# Altium PCB mantarray_beta2_sensor_arrayed.PcbDoc (part 8 of 14) (continued)
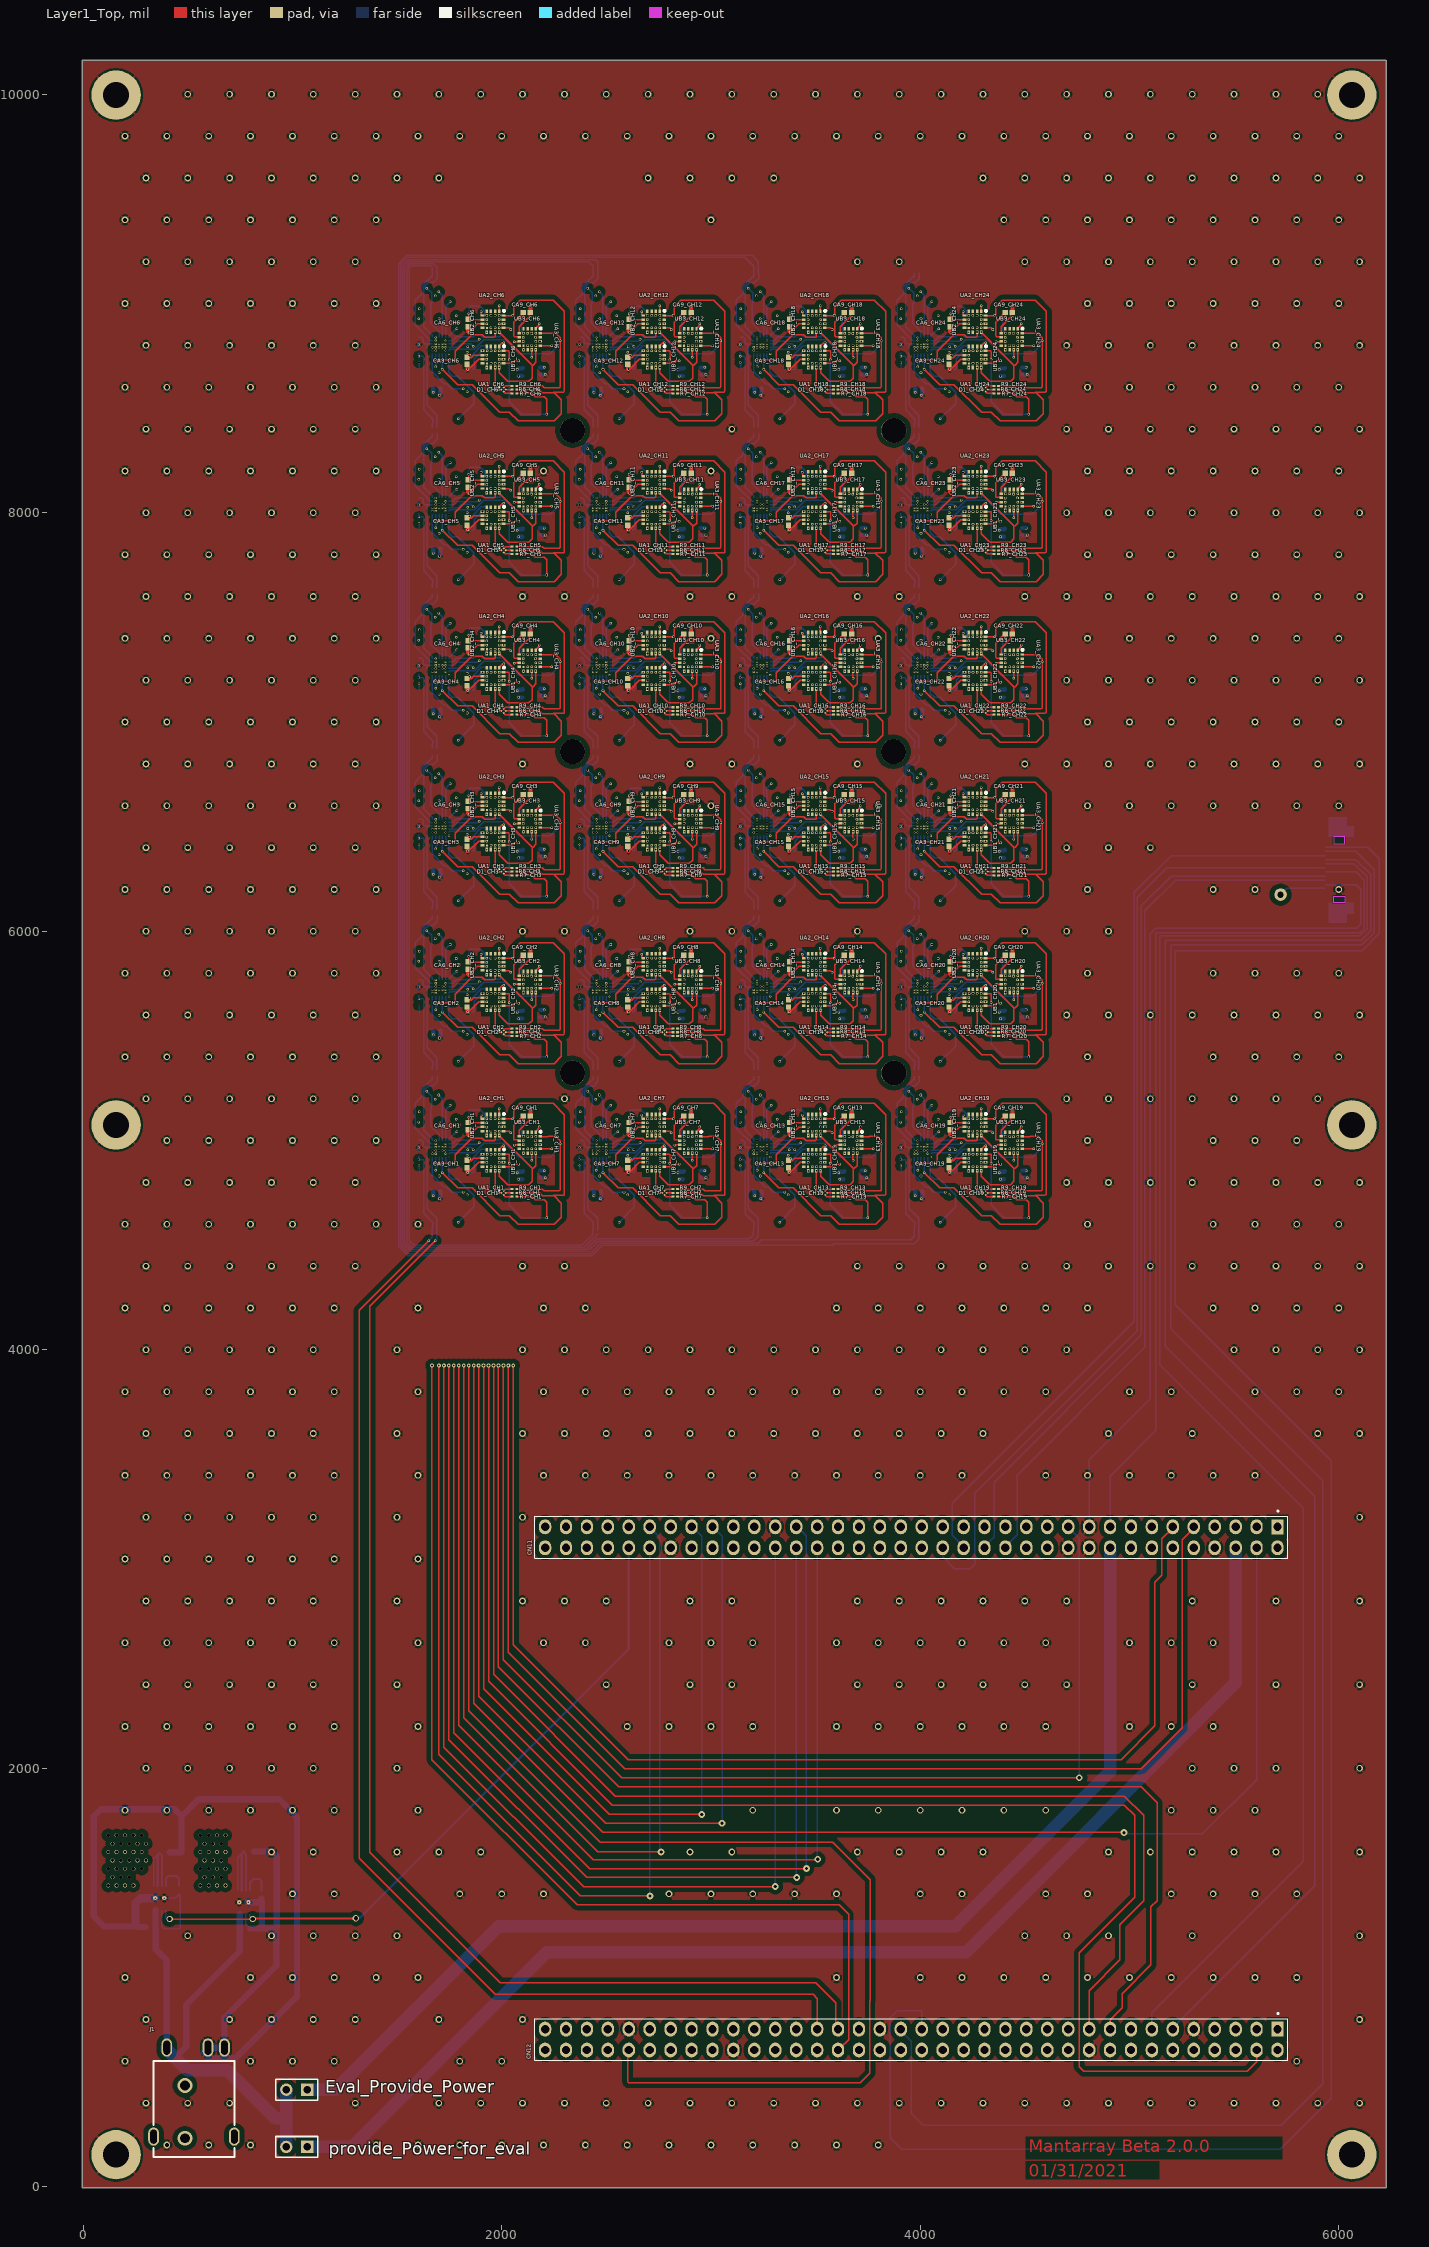
[diagram p0: Layer1_Top view]
## Nets (pads, with @x,y where several pads share a name; then routed paths per layer and width w, separated by ;. In a path a pad name is that pad's centre, name@x,y a point inside that pad or via, vN(x,y) a via of type N, cw(c..) or ccw(c..) an arc to the next point about the centre after c; other vN are vias at no path point) (continued)
  Layer1_Top w20: v1@1837.33,4849.37 CA3_CH1.1@1837.33,4867.79 ; v1@1837.33,5617.09 CA3_CH2.1@1837.33,5635.5 ; v1@1837.33,6384.8 CA3_CH3.1@1837.33,6403.22 ; v1@1837.33,7152.52 CA3_CH4.1@1837.33,7170.94 ; v1@1837.33,7920.24 CA3_CH5.1@1837.33,7938.65 ; v1@1837.33,8687.95 CA3_CH6.1@1837.33,8706.37 ; CA6_CH1.1@1839.53,5039.57 1839.53,5028.58 v1(1844.49,5023.62) ; CA6_CH2.1@1839.53,5807.28 1839.53,5796.3 v1(1844.49,5791.34) ; CA6_CH3.1@1839.53,6575 1839.53,6564.01 v1(1844.49,6559.06) ; CA6_CH4.1@1839.53,7342.72 1839.53,7331.73 v1(1844.49,7326.77) ; CA6_CH5.1@1839.53,8110.43 1839.53,8099.45 v1(1844.49,8094.49) ; CA6_CH6.1@1839.53,8878.15 1839.53,8867.16 v1(1844.49,8862.2) ; CA9_CH1.1@2137.8,5118.5 v1(2137.8,5147.64) ; CA9_CH2.1@2137.8,5886.22 v1(2137.8,5915.35) ; CA9_CH3.1@2137.8,6653.94 v1(2137.8,6683.07) ; CA9_CH4.1@2137.8,7421.65 v1(2137.8,7450.79) ; CA9_CH5.1@2137.8,8189.37 v1(2137.8,8218.5) ; CA9_CH6.1@2137.8,8957.09 v1(2137.8,8986.22) ; v1@2605.05,4849.37 CA3_CH7.1@2605.05,4867.79 ; v1@2605.05,5617.09 CA3_CH8.1@2605.05,5635.5 ; v1@2605.05,6384.8 CA3_CH9.1@2605.05,6403.22 ; v1@2605.05,7152.52 CA3_CH10.1@2605.05,7170.94 ; v1@2605.05,7920.24 CA3_CH11.1@2605.05,7938.65 ; v1@2605.05,8687.95 CA3_CH12.1@2605.05,8706.37 ; CA6_CH7.1@2607.25,5039.57 2607.25,5028.58 v1(2612.2,5023.62) ; CA6_CH8.1@2607.25,5807.28 2607.25,5796.3 v1(2612.2,5791.34) ; CA6_CH9.1@2607.25,6575 2607.25,6564.01 v1(2612.2,6559.06) ; CA6_CH10.1@2607.25,7342.72 2607.25,7331.73 v1(2612.2,7326.77) ; CA6_CH11.1@2607.25,8110.43 2607.25,8099.45 v1(2612.2,8094.49) ; CA6_CH12.1@2607.25,8878.15 2607.25,8867.16 v1(2612.2,8862.2) ; CA9_CH7.1@2905.51,5118.5 v1(2905.51,5147.64) ; CA9_CH8.1@2905.51,5886.22 v1(2905.51,5915.35) ; CA9_CH9.1@2905.51,6653.94 v1(2905.51,6683.07) ; CA9_CH10.1@2905.51,7421.65 v1(2905.51,7450.79) ; CA9_CH11.1@2905.51,8189.37 v1(2905.51,8218.5) ; CA9_CH12.1@2905.51,8957.09 v1(2905.51,8986.22) ; v1@3372.76,4849.37 CA3_CH13.1@3372.76,4867.79 ; v1@3372.76,5617.09 CA3_CH14.1@3372.76,5635.5 ; v1@3372.76,6384.8 CA3_CH15.1@3372.76,6403.22 ; v1@3372.76,7152.52 CA3_CH16.1@3372.76,7170.94 ; v1@3372.76,7920.24 CA3_CH17.1@3372.76,7938.65 ; v1@3372.76,8687.95 CA3_CH18.1@3372.76,8706.37 ; CA6_CH13.1@3374.96,5039.57 3374.96,5028.58 v1(3379.92,5023.62) ; CA6_CH14.1@3374.96,5807.28 3374.96,5796.3 v1(3379.92,5791.34) ; CA6_CH15.1@3374.96,6575 3374.96,6564.01 v1(3379.92,6559.06) ; CA6_CH16.1@3374.96,7342.72 3374.96,7331.73 v1(3379.92,7326.77) ; CA6_CH17.1@3374.96,8110.43 3374.96,8099.45 v1(3379.92,8094.49) ; CA6_CH18.1@3374.96,8878.15 3374.96,8867.16 v1(3379.92,8862.2) ; CA9_CH13.1@3673.23,5118.5 v1(3673.23,5147.64) ; CA9_CH14.1@3673.23,5886.22 v1(3673.23,5915.35) ; CA9_CH15.1@3673.23,6653.94 v1(3673.23,6683.07) ; CA9_CH16.1@3673.23,7421.65 v1(3673.23,7450.79) ; CA9_CH17.1@3673.23,8189.37 v1(3673.23,8218.5) ; CA9_CH18.1@3673.23,8957.09 v1(3673.23,8986.22) ; v1@4140.48,4849.37 CA3_CH19.1@4140.48,4867.79 ; v1@4140.48,5617.09 CA3_CH20.1@4140.48,5635.5 ; v1@4140.48,6384.8 CA3_CH21.1@4140.48,6403.22 ; v1@4140.48,7152.52 CA3_CH22.1@4140.48,7170.94 ; v1@4140.48,7920.24 CA3_CH23.1@4140.48,7938.65 ; v1@4140.48,8687.95 CA3_CH24.1@4140.48,8706.37 ; CA6_CH19.1@4142.68,5039.57 4142.68,5028.58 v1(4147.64,5023.62) ; CA6_CH20.1@4142.68,5807.28 4142.68,5796.3 v1(4147.64,5791.34) ; CA6_CH21.1@4142.68,6575 4142.68,6564.01 v1(4147.64,6559.06) ; CA6_CH22.1@4142.68,7342.72 4142.68,7331.73 v1(4147.64,7326.77) ; CA6_CH23.1@4142.68,8110.43 4142.68,8099.45 v1(4147.64,8094.49) ; CA6_CH24.1@4142.68,8878.15 4142.68,8867.16 v1(4147.64,8862.2) ; CA9_CH19.1@4440.95,5118.5 v1(4440.95,5147.64) ; CA9_CH20.1@4440.95,5886.22 v1(4440.95,5915.35) ; CA9_CH21.1@4440.95,6653.94 v1(4440.95,6683.07) ; CA9_CH22.1@4440.95,7421.65 v1(4440.95,7450.79) ; CA9_CH23.1@4440.95,8189.37 v1(4440.95,8218.5) ; CA9_CH24.1@4440.95,8957.09 v1(4440.95,8986.22)
  Layer8_BOT w6: U14_DVDD.2@375.98,1322.83 375.98,1244.1 387.8,1232.28 461.05,1232.28 464.57,1235.8 464.57,1391.73 C73_DVDD.2@458.66,1397.64 440.94,1379.92 v10(387.79,1379.92) ; U14_AVDD.2@777.56,1303.15 777.56,1254.92 784.5,1247.98 786.46,1247.98 798.23,1236.22 C71_AVDD.1@798.23,1234.25 ; v10(789.37,1360.24) 789.37,1368.35 U14_AVDD.9@798.97,1377.95 ; R_rst_CH1.1@1604.28,4948.77 1604.28,4959.6 1604.33,4959.65 1604.33,4966.08 v3(1604.52,4966.27) ; R_rst_CH2.1@1604.28,5716.49 1604.28,5727.31 1604.33,5727.36 1604.33,5733.8 v3(1604.52,5733.99) ; R_rst_CH3.1@1604.28,6484.21 1604.28,6495.03 1604.33,6495.08 1604.33,6501.51 v3(1604.52,6501.7) ; R_rst_CH4.1@1604.28,7251.92 1604.28,7262.75 1604.33,7262.8 1604.33,7269.23 v3(1604.52,7269.42) ; R_rst_CH5.1@1604.28,8019.64 1604.28,8030.46 1604.33,8030.51 1604.33,8036.95 v3(1604.52,8037.14) ; R_rst_CH6.1@1604.28,8787.35 1604.28,8798.18 1604.33,8798.23 1604.33,8804.66 v3(1604.52,8804.85) ; v3@1604.33,4966.27 R_bt0_CH1.1@1604.33,4979.33 ; v3@1604.33,5733.99 R_bt0_CH2.1@1604.33,5747.05 ; v3@1604.33,6501.7 R_bt0_CH3.1@1604.33,6514.76 ; v3@1604.33,7269.42 R_bt0_CH4.1@1604.33,7282.48 ; v3@1604.33,8037.14 R_bt0_CH5.1@1604.33,8050.2 ; v3@1604.33,8804.85 R_bt0_CH6.1@1604.33,8817.91 ; v1(1838.28,4848.43) 1864.6,4848.43 1868.11,4851.94 1868.11,4897.64 1902.51,4932.04 1903.84,4932.04 1906.84,4935.04 v1(1908.46,4935.04) ; v1(1838.28,5616.14) 1864.6,5616.14 1868.11,5619.66 1868.11,5665.35 1902.51,5699.76 1903.84,5699.76 1906.84,5702.76 v1(1908.46,5702.76) ; v1(1838.28,6383.86) 1864.6,6383.86 1868.11,6387.37 1868.11,6433.07 1902.51,6467.47 1903.84,6467.47 1906.84,6470.47 v1(1908.46,6470.47) ; v1(1838.28,7151.57) 1864.6,7151.57 1868.11,7155.09 1868.11,7200.79 1902.51,7235.19 1903.84,7235.19 1906.84,7238.19 v1(1908.46,7238.19) ; v1(1838.28,7919.29) 1864.6,7919.29 1868.11,7922.81 1868.11,7968.5 1902.51,8002.91 1903.84,8002.91 1906.84,8005.91 v1(1908.46,8005.91) ; v1(1838.28,8687.01) 1864.6,8687.01 1868.11,8690.52 1868.11,8736.22 1902.51,8770.62 1903.84,8770.62 1906.84,8773.62 v1(1908.46,8773.62) ; C3_CH1.1@2098.03,4814.96 C3_CH1.1@2102.36,4819.29 C3_CH1.1@2102.36,4818.9 ; C3_CH2.1@2098.03,5582.68 C3_CH2.1@2102.36,5587.01 C3_CH2.1@2102.36,5586.61 ; C3_CH3.1@2098.03,6350.39 C3_CH3.1@2102.36,6354.72 C3_CH3.1@2102.36,6354.33 ; C3_CH4.1@2098.03,7118.11 C3_CH4.1@2102.36,7122.44 C3_CH4.1@2102.36,7122.05 ; C3_CH5.1@2098.03,7885.83 C3_CH5.1@2102.36,7890.16 C3_CH5.1@2102.36,7889.76 ; C3_CH6.1@2098.03,8653.54 C3_CH6.1@2102.36,8657.87 C3_CH6.1@2102.36,8657.48 ; C2_CH1.1@2183.07,4821.26 C2_CH1.1@2184.64,4822.83 ; C2_CH2.1@2183.07,5588.98 C2_CH2.1@2184.64,5590.55 ; C2_CH3.1@2183.07,6356.69 C2_CH3.1@2184.64,6358.27 ; C2_CH4.1@2183.07,7124.41 C2_CH4.1@2184.64,7125.98 ; C2_CH5.1@2183.07,7892.13 C2_CH5.1@2184.64,7893.7 ; C2_CH6.1@2183.07,8659.84 C2_CH6.1@2184.64,8661.42 ; R_rst_CH7.1@2372,4948.77 2372,4959.6 2372.05,4959.65 2372.05,4966.08 v3(2372.24,4966.27) ; R_rst_CH8.1@2372,5716.49 2372,5727.31 2372.05,5727.36 2372.05,5733.8 v3(2372.24,5733.99) ; R_rst_CH9.1@2372,6484.21 2372,6495.03 2372.05,6495.08 2372.05,6501.51 v3(2372.24,6501.7) ; R_rst_CH10.1@2372,7251.92 2372,7262.75 2372.05,7262.8 2372.05,7269.23 v3(2372.24,7269.42) ; R_rst_CH11.1@2372,8019.64 2372,8030.46 2372.05,8030.51 2372.05,8036.95 v3(2372.24,8037.14) ; R_rst_CH12.1@2372,8787.35 2372,8798.18 2372.05,8798.23 2372.05,8804.66 v3(2372.24,8804.85) ; v3@2372.05,4966.27 R_bt0_CH7.1@2372.05,4979.33 ; v3@2372.05,5733.99 R_bt0_CH8.1@2372.05,5747.05 ; v3@2372.05,6501.7 R_bt0_CH9.1@2372.05,6514.76 ; v3@2372.05,7269.42 R_bt0_CH10.1@2372.05,7282.48 ; v3@2372.05,8037.14 R_bt0_CH11.1@2372.05,8050.2 ; v3@2372.05,8804.85 R_bt0_CH12.1@2372.05,8817.91 ; v1(2605.99,4848.43) 2632.31,4848.43 2635.83,4851.94 2635.83,4897.64 2670.23,4932.04 2671.56,4932.04 2674.56,4935.04 v1(2676.18,4935.04) ; v1(2605.99,5616.14) 2632.31,5616.14 2635.83,5619.66 2635.83,5665.35 2670.23,5699.76 2671.56,5699.76 2674.56,5702.76 v1(2676.18,5702.76) ; v1(2605.99,6383.86) 2632.31,6383.86 2635.83,6387.37 2635.83,6433.07 2670.23,6467.47 2671.56,6467.47 2674.56,6470.47 v1(2676.18,6470.47) ; v1(2605.99,7151.57) 2632.31,7151.57 2635.83,7155.09 2635.83,7200.79 2670.23,7235.19 2671.56,7235.19 2674.56,7238.19 v1(2676.18,7238.19) ; v1(2605.99,7919.29) 2632.31,7919.29 2635.83,7922.81 2635.83,7968.5 2670.23,8002.91 2671.56,8002.91 2674.56,8005.91 v1(2676.18,8005.91) ; v1(2605.99,8687.01) 2632.31,8687.01 2635.83,8690.52 2635.83,8736.22 2670.23,8770.62 2671.56,8770.62 2674.56,8773.62 v1(2676.18,8773.62) ; C3_CH7.1@2865.75,4814.96 C3_CH7.1@2870.08,4819.29 C3_CH7.1@2870.08,4818.9 ; C3_CH8.1@2865.75,5582.68 C3_CH8.1@2870.08,5587.01 C3_CH8.1@2870.08,5586.61 ; C3_CH9.1@2865.75,6350.39 C3_CH9.1@2870.08,6354.72 C3_CH9.1@2870.08,6354.33 ; C3_CH10.1@2865.75,7118.11 C3_CH10.1@2870.08,7122.44 C3_CH10.1@2870.08,7122.05 ; C3_CH11.1@2865.75,7885.83 C3_CH11.1@2870.08,7890.16 C3_CH11.1@2870.08,7889.76 ; C3_CH12.1@2865.75,8653.54 C3_CH12.1@2870.08,8657.87 C3_CH12.1@2870.08,8657.48 ; C2_CH7.1@2950.79,4821.26 C2_CH7.1@2952.36,4822.83 ; C2_CH8.1@2950.79,5588.98 C2_CH8.1@2952.36,5590.55 ; C2_CH9.1@2950.79,6356.69 C2_CH9.1@2952.36,6358.27 ; C2_CH10.1@2950.79,7124.41 C2_CH10.1@2952.36,7125.98 ; C2_CH11.1@2950.79,7892.13 C2_CH11.1@2952.36,7893.7 ; C2_CH12.1@2950.79,8659.84 C2_CH12.1@2952.36,8661.42 ; R_rst_CH13.1@3139.72,4948.77 3139.72,4959.6 3139.76,4959.65 3139.76,4966.08 v3(3139.95,4966.27) ; R_rst_CH14.1@3139.72,5716.49 3139.72,5727.31 3139.76,5727.36 3139.76,5733.8 v3(3139.95,5733.99) ; R_rst_CH15.1@3139.72,6484.21 3139.72,6495.03 3139.76,6495.08 3139.76,6501.51 v3(3139.95,6501.7) ; R_rst_CH16.1@3139.72,7251.92 3139.72,7262.75 3139.76,7262.8 3139.76,7269.23 v3(3139.95,7269.42) ; R_rst_CH17.1@3139.72,8019.64 3139.72,8030.46 3139.76,8030.51 3139.76,8036.95 v3(3139.95,8037.14) ; R_rst_CH18.1@3139.72,8787.35 3139.72,8798.18 3139.76,8798.23 3139.76,8804.66 v3(3139.95,8804.85) ; v3@3139.76,4966.27 R_bt0_CH13.1@3139.76,4979.33 ; v3@3139.76,5733.99 R_bt0_CH14.1@3139.76,5747.05 ; v3@3139.76,6501.7 R_bt0_CH15.1@3139.76,6514.76 ; v3@3139.76,7269.42 R_bt0_CH16.1@3139.76,7282.48 ; v3@3139.76,8037.14 R_bt0_CH17.1@3139.76,8050.2 ; v3@3139.76,8804.85 R_bt0_CH18.1@3139.76,8817.91 ; v1(3373.71,4848.43) 3400.03,4848.43 3403.54,4851.94 3403.54,4897.64 3437.95,4932.04 3439.27,4932.04 3442.27,4935.04 v1(3443.9,4935.04) ; v1(3373.71,5616.14) 3400.03,5616.14 3403.54,5619.66 3403.54,5665.35 3437.95,5699.76 3439.27,5699.76 3442.27,5702.76 v1(3443.9,5702.76) ; v1(3373.71,6383.86) 3400.03,6383.86 3403.54,6387.37 3403.54,6433.07 3437.95,6467.47 3439.27,6467.47 3442.27,6470.47 v1(3443.9,6470.47) ; v1(3373.71,7151.57) 3400.03,7151.57 3403.54,7155.09 3403.54,7200.79 3437.95,7235.19 3439.27,7235.19 3442.27,7238.19 v1(3443.9,7238.19) ; v1(3373.71,7919.29) 3400.03,7919.29 3403.54,7922.81 3403.54,7968.5 3437.95,8002.91 3439.27,8002.91 3442.27,8005.91 v1(3443.9,8005.91) ; v1(3373.71,8687.01) 3400.03,8687.01 3403.54,8690.52 3403.54,8736.22 3437.95,8770.62 3439.27,8770.62 3442.27,8773.62 v1(3443.9,8773.62) ; C3_CH13.1@3633.47,4814.96 C3_CH13.1@3637.8,4819.29 C3_CH13.1@3637.8,4818.9 ; C3_CH14.1@3633.47,5582.68 C3_CH14.1@3637.8,5587.01 C3_CH14.1@3637.8,5586.61 ; C3_CH15.1@3633.47,6350.39 C3_CH15.1@3637.8,6354.72 C3_CH15.1@3637.8,6354.33 ; C3_CH16.1@3633.47,7118.11 C3_CH16.1@3637.8,7122.44 C3_CH16.1@3637.8,7122.05 ; C3_CH17.1@3633.47,7885.83 C3_CH17.1@3637.8,7890.16 C3_CH17.1@3637.8,7889.76 ; C3_CH18.1@3633.47,8653.54 C3_CH18.1@3637.8,8657.87 C3_CH18.1@3637.8,8657.48 ; C2_CH13.1@3718.5,4821.26 C2_CH13.1@3720.08,4822.83 ; C2_CH14.1@3718.5,5588.98 C2_CH14.1@3720.08,5590.55 ; C2_CH15.1@3718.5,6356.69 C2_CH15.1@3720.08,6358.27 ; C2_CH16.1@3718.5,7124.41 C2_CH16.1@3720.08,7125.98 ; C2_CH17.1@3718.5,7892.13 C2_CH17.1@3720.08,7893.7 ; C2_CH18.1@3718.5,8659.84 C2_CH18.1@3720.08,8661.42 ; R_rst_CH19.1@3907.43,4948.77 3907.43,4959.6 3907.48,4959.65 3907.48,4966.08 v3(3907.67,4966.27) ; R_rst_CH20.1@3907.43,5716.49 3907.43,5727.31 3907.48,5727.36 3907.48,5733.8 v3(3907.67,5733.99) ; R_rst_CH21.1@3907.43,6484.21 3907.43,6495.03 3907.48,6495.08 3907.48,6501.51 v3(3907.67,6501.7) ; R_rst_CH22.1@3907.43,7251.92 3907.43,7262.75 3907.48,7262.8 3907.48,7269.23 v3(3907.67,7269.42) ; R_rst_CH23.1@3907.43,8019.64 3907.43,8030.46 3907.48,8030.51 3907.48,8036.95 v3(3907.67,8037.14) ; R_rst_CH24.1@3907.43,8787.35 3907.43,8798.18 3907.48,8798.23 3907.48,8804.66 v3(3907.67,8804.85) ; v3@3907.48,4966.27 R_bt0_CH19.1@3907.48,4979.33 ; v3@3907.48,5733.99 R_bt0_CH20.1@3907.48,5747.05 ; v3@3907.48,6501.7 R_bt0_CH21.1@3907.48,6514.76 ; v3@3907.48,7269.42 R_bt0_CH22.1@3907.48,7282.48 ; v3@3907.48,8037.14 R_bt0_CH23.1@3907.48,8050.2 ; v3@3907.48,8804.85 R_bt0_CH24.1@3907.48,8817.91 ; v1(4141.43,4848.43) 4167.75,4848.43 4171.26,4851.94 4171.26,4897.64 4205.66,4932.04 4206.99,4932.04 4209.99,4935.04 v1(4211.61,4935.04) ; v1(4141.43,5616.14) 4167.75,5616.14 4171.26,5619.66 4171.26,5665.35 4205.66,5699.76 4206.99,5699.76 4209.99,5702.76 v1(4211.61,5702.76) ; v1(4141.43,6383.86) 4167.75,6383.86 4171.26,6387.37 4171.26,6433.07 4205.66,6467.47 4206.99,6467.47 4209.99,6470.47 v1(4211.61,6470.47) ; v1(4141.43,7151.57) 4167.75,7151.57 4171.26,7155.09 4171.26,7200.79 4205.66,7235.19 4206.99,7235.19 4209.99,7238.19 v1(4211.61,7238.19) ; v1(4141.43,7919.29) 4167.75,7919.29 4171.26,7922.81 4171.26,7968.5 4205.66,8002.91 4206.99,8002.91 4209.99,8005.91 v1(4211.61,8005.91) ; v1(4141.43,8687.01) 4167.75,8687.01 4171.26,8690.52 4171.26,8736.22 4205.66,8770.62 4206.99,8770.62 4209.99,8773.62 v1(4211.61,8773.62) ; C3_CH19.1@4401.18,4814.96 C3_CH19.1@4405.51,4819.29 C3_CH19.1@4405.51,4818.9 ; C3_CH20.1@4401.18,5582.68 C3_CH20.1@4405.51,5587.01 C3_CH20.1@4405.51,5586.61 ; C3_CH21.1@4401.18,6350.39 C3_CH21.1@4405.51,6354.72 C3_CH21.1@4405.51,6354.33 ; C3_CH22.1@4401.18,7118.11 C3_CH22.1@4405.51,7122.44 C3_CH22.1@4405.51,7122.05 ; C3_CH23.1@4401.18,7885.83 C3_CH23.1@4405.51,7890.16 C3_CH23.1@4405.51,7889.76 ; C3_CH24.1@4401.18,8653.54 C3_CH24.1@4405.51,8657.87 C3_CH24.1@4405.51,8657.48 ; C2_CH19.1@4486.22,4821.26 C2_CH19.1@4487.79,4822.83 ; C2_CH20.1@4486.22,5588.98 C2_CH20.1@4487.79,5590.55 ; C2_CH21.1@4486.22,6356.69 C2_CH21.1@4487.79,6358.27 ; C2_CH22.1@4486.22,7124.41 C2_CH22.1@4487.79,7125.98 ; C2_CH23.1@4486.22,7892.13 C2_CH23.1@4487.79,7893.7 ; C2_CH24.1@4486.22,8659.84 C2_CH24.1@4487.79,8661.42 ; CN11.19@4807.48,3153.94 4807.48,3474.8 5098.43,3765.75 5098.43,5988.19 5125.98,6015.75 6087.04,6015.75 6102.78,6031.5 6106.3,6035.01 6106.3,6200.79 6084.65,6222.44 5938.05,6222.44 Barcode_reader.10@5936.08,6224.41
  Layer8_BOT w20: v1(1702.76,4722.44) 1706.69,4726.38 1706.69,4755.67 1706.3,4756.06 C1_CH1.1@1706.3,4757.87 ; v1(1702.76,5490.16) 1706.69,5494.09 1706.69,5523.39 1706.3,5523.78 C1_CH2.1@1706.3,5525.59 ; v1(1702.76,6257.87) 1706.69,6261.81 1706.69,6291.1 1706.3,6291.5 C1_CH3.1@1706.3,6293.31 ; v1(1702.76,7025.59) 1706.69,7029.53 1706.69,7058.82 1706.3,7059.21 C1_CH4.1@1706.3,7061.02 ; v1(1702.76,7793.31) 1706.69,7797.24 1706.69,7826.54 1706.3,7826.93 C1_CH5.1@1706.3,7828.74 ; v1(1702.76,8561.02) 1706.69,8564.96 1706.69,8594.25 1706.3,8594.65 C1_CH6.1@1706.3,8596.46 ; v1(2080.71,4814.96) C3_CH1.1@2098.03,4814.96 ; v1(2080.71,5582.68) C3_CH2.1@2098.03,5582.68 ; v1(2080.71,6350.39) C3_CH3.1@2098.03,6350.39 ; v1(2080.71,7118.11) C3_CH4.1@2098.03,7118.11 ; v1(2080.71,7885.83) C3_CH5.1@2098.03,7885.83 ; v1(2080.71,8653.54) C3_CH6.1@2098.03,8653.54 ; C2_CH1.1@2184.64,4822.83 v1(2208.66,4822.83) ; C2_CH2.1@2184.64,5590.55 v1(2208.66,5590.55) ; C2_CH3.1@2184.64,6358.27 v1(2208.66,6358.27) ; C2_CH4.1@2184.64,7125.98 v1(2208.66,7125.98) ; C2_CH5.1@2184.64,7893.7 v1(2208.66,7893.7) ; C2_CH6.1@2184.64,8661.42 v1(2208.66,8661.42) ; v1(2470.47,4722.44) 2474.41,4726.38 2474.41,4755.67 2474.02,4756.06 C1_CH7.1@2474.02,4757.87 ; v1(2470.47,5490.16) 2474.41,5494.09 2474.41,5523.39 2474.02,5523.78 C1_CH8.1@2474.02,5525.59 ; v1(2470.47,6257.87) 2474.41,6261.81 2474.41,6291.1 2474.02,6291.5 C1_CH9.1@2474.02,6293.31 ; v1(2470.47,7025.59) 2474.41,7029.53 2474.41,7058.82 2474.02,7059.21 C1_CH10.1@2474.02,7061.02 ; v1(2470.47,7793.31) 2474.41,7797.24 2474.41,7826.54 2474.02,7826.93 C1_CH11.1@2474.02,7828.74 ; v1(2470.47,8561.02) 2474.41,8564.96 2474.41,8594.25 2474.02,8594.65 C1_CH12.1@2474.02,8596.46 ; v1(2848.43,4814.96) C3_CH7.1@2865.75,4814.96 ; v1(2848.43,5582.68) C3_CH8.1@2865.75,5582.68 ; v1(2848.43,6350.39) C3_CH9.1@2865.75,6350.39 ; v1(2848.43,7118.11) C3_CH10.1@2865.75,7118.11 ; v1(2848.43,7885.83) C3_CH11.1@2865.75,7885.83 ; v1(2848.43,8653.54) C3_CH12.1@2865.75,8653.54 ; C2_CH7.1@2952.36,4822.83 v1(2976.38,4822.83) ; C2_CH8.1@2952.36,5590.55 v1(2976.38,5590.55) ; C2_CH9.1@2952.36,6358.27 v1(2976.38,6358.27) ; C2_CH10.1@2952.36,7125.98 v1(2976.38,7125.98) ; C2_CH11.1@2952.36,7893.7 v1(2976.38,7893.7) ; C2_CH12.1@2952.36,8661.42 v1(2976.38,8661.42) ; v1(3238.19,4722.44) 3242.13,4726.38 3242.13,4755.67 3241.73,4756.06 C1_CH13.1@3241.73,4757.87 ; v1(3238.19,5490.16) 3242.13,5494.09 3242.13,5523.39 3241.73,5523.78 C1_CH14.1@3241.73,5525.59 ; v1(3238.19,6257.87) 3242.13,6261.81 3242.13,6291.1 3241.73,6291.5 C1_CH15.1@3241.73,6293.31 ; v1(3238.19,7025.59) 3242.13,7029.53 3242.13,7058.82 3241.73,7059.21 C1_CH16.1@3241.73,7061.02 ; v1(3238.19,7793.31) 3242.13,7797.24 3242.13,7826.54 3241.73,7826.93 C1_CH17.1@3241.73,7828.74 ; v1(3238.19,8561.02) 3242.13,8564.96 3242.13,8594.25 3241.73,8594.65 C1_CH18.1@3241.73,8596.46 ; v1(3616.14,4814.96) C3_CH13.1@3633.47,4814.96 ; v1(3616.14,5582.68) C3_CH14.1@3633.47,5582.68 ; v1(3616.14,6350.39) C3_CH15.1@3633.47,6350.39 ; v1(3616.14,7118.11) C3_CH16.1@3633.47,7118.11 ; v1(3616.14,7885.83) C3_CH17.1@3633.47,7885.83 ; v1(3616.14,8653.54) C3_CH18.1@3633.47,8653.54 ; C2_CH13.1@3720.08,4822.83 v1(3744.09,4822.83) ; C2_CH14.1@3720.08,5590.55 v1(3744.09,5590.55) ; C2_CH15.1@3720.08,6358.27 v1(3744.09,6358.27) ; C2_CH16.1@3720.08,7125.98 v1(3744.09,7125.98) ; C2_CH17.1@3720.08,7893.7 v1(3744.09,7893.7) ; C2_CH18.1@3720.08,8661.42 v1(3744.09,8661.42) ; v1(4005.91,4722.44) 4009.84,4726.38 4009.84,4755.67 4009.45,4756.06 C1_CH19.1@4009.45,4757.87 ; v1(4005.91,5490.16) 4009.84,5494.09 4009.84,5523.39 4009.45,5523.78 C1_CH20.1@4009.45,5525.59 ; v1(4005.91,6257.87) 4009.84,6261.81 4009.84,6291.1 4009.45,6291.5 C1_CH21.1@4009.45,6293.31 ; v1(4005.91,7025.59) 4009.84,7029.53 4009.84,7058.82 4009.45,7059.21 C1_CH22.1@4009.45,7061.02 ; v1(4005.91,7793.31) 4009.84,7797.24 4009.84,7826.54 4009.45,7826.93 C1_CH23.1@4009.45,7828.74 ; v1(4005.91,8561.02) 4009.84,8564.96 4009.84,8594.25 4009.45,8594.65 C1_CH24.1@4009.45,8596.46 ; v1(4383.86,4814.96) C3_CH19.1@4401.18,4814.96 ; v1(4383.86,5582.68) C3_CH20.1@4401.18,5582.68 ; v1(4383.86,6350.39) C3_CH21.1@4401.18,6350.39 ; v1(4383.86,7118.11) C3_CH22.1@4401.18,7118.11 ; v1(4383.86,7885.83) C3_CH23.1@4401.18,7885.83 ; v1(4383.86,8653.54) C3_CH24.1@4401.18,8653.54 ; C2_CH19.1@4487.79,4822.83 v1(4511.81,4822.83) ; C2_CH20.1@4487.79,5590.55 v1(4511.81,5590.55) ; C2_CH21.1@4487.79,6358.27 v1(4511.81,6358.27) ; C2_CH22.1@4487.79,7125.98 v1(4511.81,7125.98) ; C2_CH23.1@4487.79,7893.7 v1(4511.81,7893.7) ; C2_CH24.1@4487.79,8661.42 v1(4511.81,8661.42)
  Layer8_BOT w30: 250,1242.13 C71_DVDD.1@296.26,1242.13 ; 250,1255.91 238.19,1244.09 100.58,1244.09 51.18,1293.5 51.18,1771.65 84.65,1805.12 437.01,1805.12 470.47,1771.65 ; C72_DVDD.1@414.37,1598.43 470.47,1598.43 470.47,1771.65 ; v10(789.37,1360.24) 854.91,1360.24 852.36,1362.79 C73_AVDD.2@852.36,1377.95 ; C71_AVDD.1@798.23,1234.25 854.33,1234.25 ; C72_AVDD.1@815.94,1602.36 901.77,1602.36 925.2,1578.93 925.2,1234.25 ; 854.33,1360.24 854.33,1234.25 ; 470.47,1771.65 551.18,1852.36 937.01,1852.36 1021.65,1767.72 1021.65,907.48 730.32,616.14 602.13,616.14 574.69,643.59 586.67,643.59 596.46,653.37 J1.3@596.46,665.36 J1.2@675.2,665.36 675.2,809.06 923.23,1057.09 923.23,1234.25 854.33,1234.25
  Layer8_BOT w40: 250,1255.91 250,1356.49 273.43,1379.92 v10(344.49,1379.92)
  other v1: 1989.17,4915.08 2756.89,4915.08 3524.61,4915.08 4292.32,4915.08 1949.31,4935.25 1969,4935.25 2717.03,4935.25 2736.71,4935.25 3484.75,4935.25 3504.43,4935.25 4252.46,4935.25 4272.15,4935.25 2161.42,5000 2929.13,5000 3696.85,5000 4464.57,5000 2142.86,5018.27 2910.57,5018.27 3678.29,5018.27 4446.01,5018.27 1988.68,5084.36 2756.4,5084.36 3524.12,5084.36 4291.83,5084.36 1948.82,5104.54 1968.5,5104.54 2716.53,5104.54 2736.22,5104.54 3484.25,5104.54 3503.94,5104.54 4251.97,5104.54 4271.65,5104.54 1989.17,5682.79 2756.89,5682.79 3524.61,5682.79 4292.32,5682.79 1949.31,5702.96 1969,5702.96 2717.03,5702.96 2736.71,5702.96 3484.75,5702.96 3504.43,5702.96 4252.46,5702.96 4272.15,5702.96 2161.42,5767.72 2929.13,5767.72 3696.85,5767.72 4464.57,5767.72 2142.86,5785.99 2910.57,5785.99 3678.29,5785.99 4446.01,5785.99 1988.68,5852.08 2756.4,5852.08 3524.12,5852.08 4291.83,5852.08 1948.82,5872.25 1968.5,5872.25 2716.53,5872.25 2736.22,5872.25 3484.25,5872.25 3503.94,5872.25 4251.97,5872.25 4271.65,5872.25 1989.17,6450.51 2756.89,6450.51 3524.61,6450.51 4292.32,6450.51 1949.31,6470.68 1969,6470.68 2717.03,6470.68 2736.71,6470.68 3484.75,6470.68 3504.43,6470.68 4252.46,6470.68 4272.15,6470.68 2161.42,6535.43 2929.13,6535.43 3696.85,6535.43 4464.57,6535.43 2142.86,6553.7 2910.57,6553.7 3678.29,6553.7 4446.01,6553.7 1988.68,6619.8 2756.4,6619.8 3524.12,6619.8 4291.83,6619.8 1948.82,6639.97 1968.5,6639.97 2716.53,6639.97 2736.22,6639.97 3484.25,6639.97 3503.94,6639.97 4251.97,6639.97 4271.65,6639.97 1989.17,7218.23 2756.89,7218.23 3524.61,7218.23 4292.32,7218.23 1949.31,7238.4 1969,7238.4 2717.03,7238.4 2736.71,7238.4 3484.75,7238.4 3504.43,7238.4 4252.46,7238.4 4272.15,7238.4 2161.42,7303.15 2929.13,7303.15 3696.85,7303.15 4464.57,7303.15 2142.86,7321.42 2910.57,7321.42 3678.29,7321.42 4446.01,7321.42 1988.68,7387.51 2756.4,7387.51 3524.12,7387.51 4291.83,7387.51 1948.82,7407.69 1968.5,7407.69 2716.53,7407.69 2736.22,7407.69 3484.25,7407.69 3503.94,7407.69 4251.97,7407.69 4271.65,7407.69 1989.17,7985.94 2756.89,7985.94 3524.61,7985.94 4292.32,7985.94 1949.31,8006.11 1969,8006.11 2717.03,8006.11 2736.71,8006.11 3484.75,8006.11 3504.43,8006.11 4252.46,8006.11 4272.15,8006.11 2161.42,8070.87 2929.13,8070.87 3696.85,8070.87 4464.57,8070.87 2142.86,8089.14 2910.57,8089.14 3678.29,8089.14 4446.01,8089.14 1988.68,8155.23 2756.4,8155.23 3524.12,8155.23 4291.83,8155.23 1948.82,8175.4 1968.5,8175.4 2716.53,8175.4 2736.22,8175.4 3484.25,8175.4 3503.94,8175.4 4251.97,8175.4 4271.65,8175.4 1989.17,8753.66 2756.89,8753.66 3524.61,8753.66 4292.32,8753.66 1949.31,8773.83 1969,8773.83 2717.03,8773.83 2736.71,8773.83 3484.75,8773.83 3504.43,8773.83 4252.46,8773.83 4272.15,8773.83 2161.42,8838.58 2929.13,8838.58 3696.85,8838.58 4464.57,8838.58 2142.86,8856.85 2910.57,8856.85 3678.29,8856.85 4446.01,8856.85 1988.68,8922.94 2756.4,8922.94 3524.12,8922.94 4291.83,8922.94 1948.82,8943.12 1968.5,8943.12 2716.53,8943.12 2736.22,8943.12 3484.25,8943.12 3503.94,8943.12 4251.97,8943.12 4271.65,8943.12